# Altium PCB BaseBoard_KB_ATM_.PcbDoc (part 1 of 2) (continued)
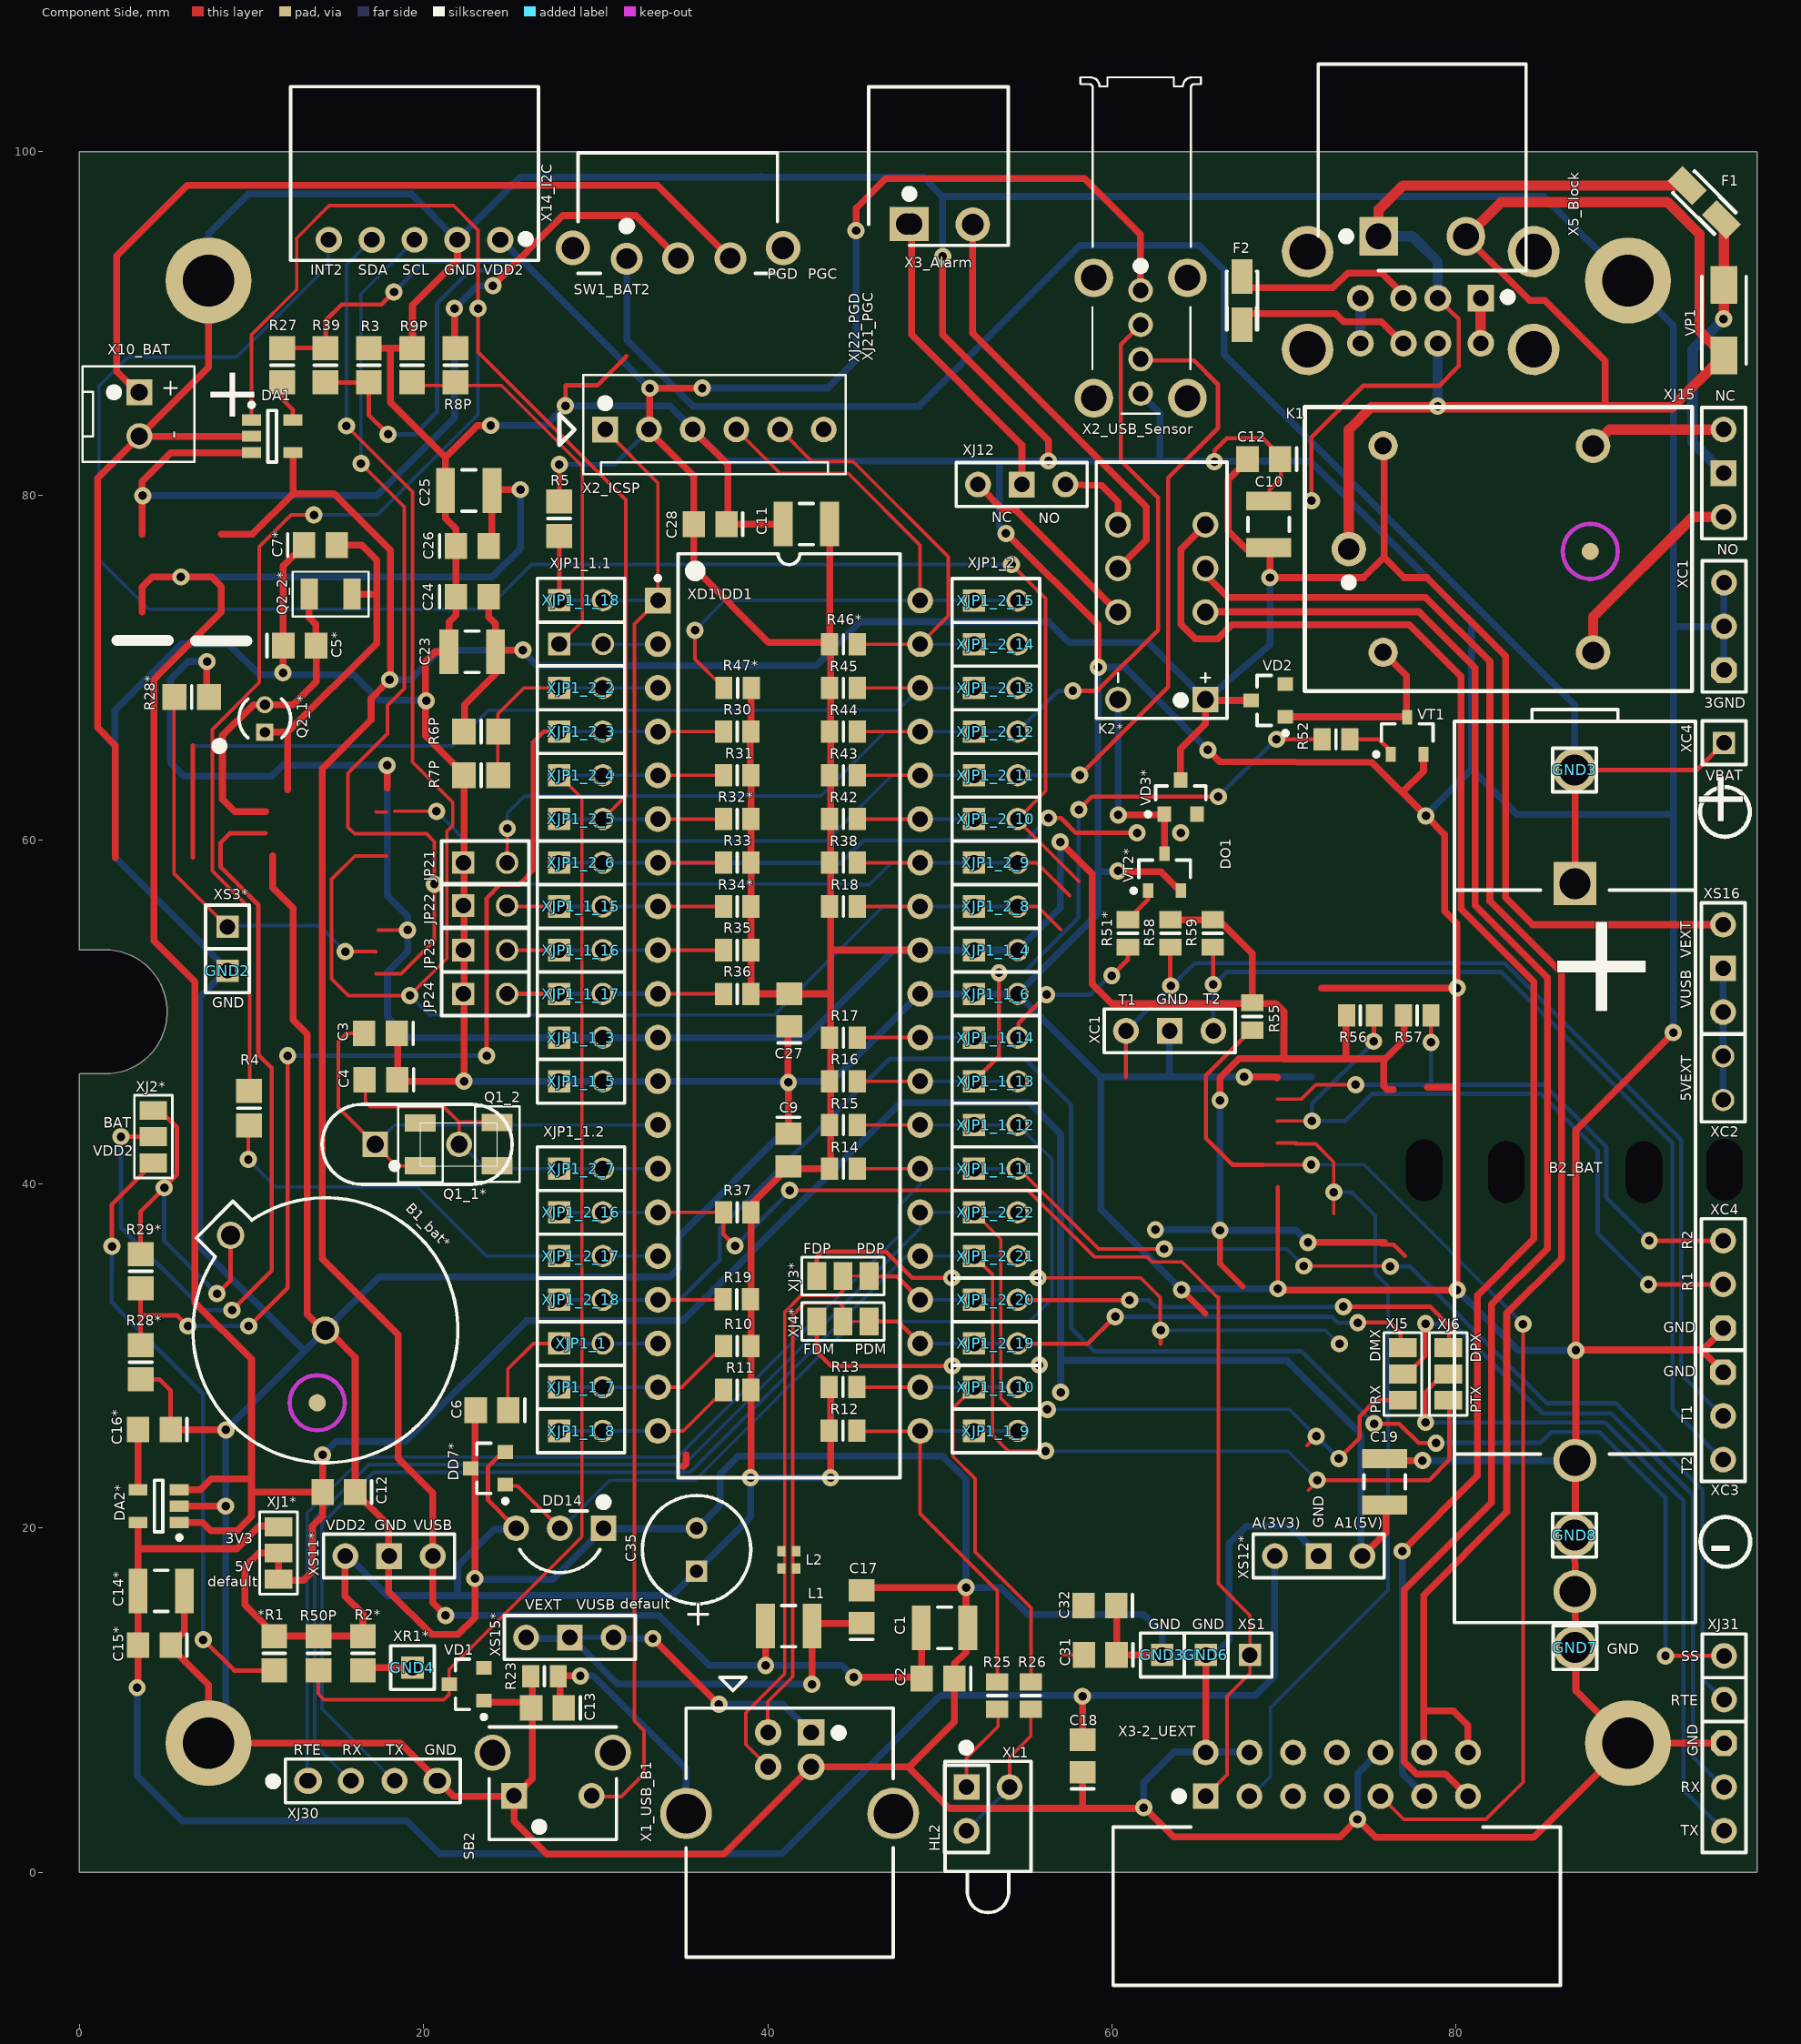
[diagram p0: Component Side view]
## Components (designator, comment, footprint, x,y, rotation, side; value= is the part's Value field where it differs from the comment) (continued)
XJP1_1_13 "PLD-2" PLD-1#1 53.26,45.966 r0 top
XJP1_1_14 "PLD-2" PLD-1#1 53.26,48.506 r0 top
XJP1_1_15 "PLD-2" PLD-1#1 29.146,56.126 r0 top
XJP1_1_16 "PLD-2" PLD-1#1 29.146,53.586 r0 top
XJP1_1_17 "PLD-2" PLD-1#1 29.146,51.046 r0 top
XJP1_1_18 "PLD-2" PLD-1#1 29.15,73.925 r0 top
XJP1_2 "PLD-2" PLD-1#1 29.15,71.375 r0 top
XJP1_2_2 "PLD-2" PLD-1#1 29.146,68.826 r0 top
XJP1_2_3 "PLD-2" PLD-1#1 29.146,66.286 r0 top
XJP1_2_4 "PLD-2" PLD-1#1 29.146,63.746 r0 top
XJP1_2_5 "PLD-2" PLD-1#1 29.146,61.206 r0 top
XJP1_2_6 "PLD-2" PLD-1#1 29.146,58.666 r0 top
XJP1_2_7 "PLD-2" PLD-1#1 29.146,40.886 r0 top
XJP1_2_8 "PLD-2" PLD-1#1 53.26,56.126 r0 top
XJP1_2_9 "PLD-2" PLD-1#1 53.26,58.666 r0 top
XJP1_2_10 "PLD-2" PLD-1#1 53.26,61.206 r0 top
XJP1_2_11 "PLD-2" PLD-1#1 53.26,63.746 r0 top
XJP1_2_12 "PLD-2" PLD-1#1 53.26,66.286 r0 top
XJP1_2_13 "PLD-2" PLD-1#1 53.26,68.826 r0 top
XJP1_2_14 "PLD-2" PLD-1#1 53.26,71.366 r0 top
XJP1_2_15 "PLD-2" PLD-1#1 53.26,73.906 r0 top
XJP1_2_16 "PLD-2" PLD-1#1 29.146,38.346 r0 top
XJP1_2_17 "PLD-2" PLD-1#1 29.146,35.806 r0 top
XJP1_2_18 "PLD-2" PLD-1#1 29.146,33.266 r0 top
XJP1_2_19 "PLD-2" PLD-1#1 53.26,30.726 r0 top
XJP1_2_20 "PLD-2" PLD-1#1 53.26,33.266 r0 top
XJP1_2_21 "PLD-2" PLD-1#1 53.26,35.806 r0 top
XJP1_2_22 "PLD-2" PLD-1#1 53.26,38.346 r0 top
XL1 "PLD-2" PLD-1#2 51.555,3.679 r270 top (schematic designator XJP1_1_16)
XS1 "PLS-1" PLS-1#1 68.025,12.625 r0 top
XS3 "PLS-1" PLS-1#3 95.58,12.573 r90 top
XS3 "PLS-1" PLS-1#3 95.58,10.033 r90 top
XS3* "PLS-1" PLS-1#1 8.602,54.94 r90 top (schematic designator XS3)
XS11* "PLS-3" HDR1X3#1 16.725,18.375 r0 top (schematic designator XJ30)
XS12* "PLS-3" HDR1X3#1 70.75,18.375 r0 top (schematic designator XJ30)
XS15* "PLS-3" HDR1X3#1 27.229,13.64 r0 top (schematic designator XJ30)
XS16 "PLD-2" PLD-1#3 95.529,46.152 r270 top (schematic designator XJP1_1_16)
? "Comment" 0402 41.656,18.161 r90 top

## Footprints (in the part's own frame and the unit in brackets; to place one, negate y for a bottom-side part, rotate by r counter-clockwise, add the part's x,y. Pads: shape width x height; smd on the part's side, far side on the other; paste and mask are expansions set on the pad)
0402 [mm] "Chip Capacitor, Body 1.0x0.5mm, IPC High Density"
  rect 0.6x0.5 smd: 1(-0.5,0) 2(0.5,0)
  body extent -0.55,-0.3 0.55,0.3, height 1.3
3216 [mm] "Capacitor, SM Tantalum; Body 3.2 x 1.6 mm (LxW typ)"
  rect 2x1.2 smd: 1(-1.4,0) 2(1.4,0)
  silkscreen extent -1.7,-0.9 1.7,0.9
B-3031 [mm] "Slide switch, SPDT; B3031"
  round 0 all layers, no hole: 1(3,3.5) 2(0,3.5) 3(-3,3.5) MH(-5.8,2) MH(5.8,2)
  silkscreen extent -5.8,-3.5 5.8,3.5, body extent -6.05,-6.6 6.05,3.9, height 5.8
BH-AA-2915-2MH [mm] "AA battery holder; Keystone 2915"
  round 0 all layers, no hole: 1(0,0)
  rect 2.5x2.5 hole 1.8: 1(7.62,0)
  round 2.5 hole 1.8: 2(41.148,0) 2(48.768,0)
  round 0 hole 2.1 slot 3.6 at 0 deg unplated mask+0.1: MH(24.384,-4) MH(24.384,4)
  silkscreen extent -2.5,-7 50.57,7, body extent -1.65,-6.8 50.41,6.8, height 15.05
BH-CR1220 [mm] "CR1220 battery holder, 2 leads"
  round 1.6 hole 1.1: 1(0,7.8) 2(0,0)
  round 0 all layers, no hole mask+0: MH(-5.6,3.3) MH(1.4,-6.5) MH(5.6,3.3)
  silkscreen extent -7.7,-7.7 7.7,9.1, body extent -7.55,-7.55 7.55,11.55, height 5
C' [mm] "Capacitor, Electrolytic, Radial; Body 6.3 x 5 mm (Dia.xH typ); Pin Spacing 2.5 mm (typ)"
  rect 1.25x1.25 hole 0.75: 1(-1.25,0)
  round 1.25 hole 0.75: 2(1.25,0)
  silkscreen extent -3.15,-3.15 3.15,3.15
C-0805 [mm] "Chip Capacitor; Body 2.0 x 1.2 mm (LxW typ)"
  rect 1.3x1.5 smd: 1(-0.95,0) 2(0.95,0)
  silkscreen extent -1.9,-0.65 -1.9,0.65, body extent -1,-0.62 1,0.62, height 0.78
C-1210_L [mm] "Chip Capacitor, Body 3.2x2.5mm, IPC High Density"
  rect 1.1x2.6 smd: 1(-1.35,0) 2(1.35,0)
  silkscreen extent -0.4,-1.2 0.4,1.2, body extent -1.6,-1.25 1.6,1.25, height 0.92
DG308-2.54-02P-Pol [mm] "DG308-2.54-02P; Wurth Electronics, 691210910002; 2 positions, 2.54mm, modular, green, horizontal wire entry, cage clamp, 0.8mm"
  rect 1.5x1.5 hole 1: 1(-1.27,0)
  round 1.5 hole 1: 2(1.27,0)
  silkscreen extent -2.77,-3.3 2.77,3.2, body extent -2.77,-3.3 2.77,3.2, height 8.75
HC49S [mm] "Crystal, Thru-Hole; 2 Leads; Body 3.1 x 8.2 mm (Dia.xH)"
  rect 1.5x1.5 hole 1: 1(-2.44,0)
  round 1.5 hole 1: 2(2.44,0)
  silkscreen extent -5.53,-2.33 5.53,2.32, body extent -5.49,-2.25 5.49,2.25, height 3.6
HDR1X3#1 [mm] "Connector; Header; 3 Position"
  round 1.5 hole 0.9: 1(-1.27,0) 3(3.81,0)
  rect 1.5x1.5 hole 0.9: 2(1.27,0)
  silkscreen extent -2.54,-1.27 5.08,1.27, body extent -2.54,-1.27 5.08,1.27, height 9.5
HDR1X3#2 [mm] "Connector; Header; 3 Position"
  oct 1.5x1.5 hole 0.9: 1(-1.27,0)
  round 1.5 hole 0.9: 2(1.27,0) 3(3.81,0)
  silkscreen extent -2.54,-1.27 5.08,1.27, body extent -2.54,-1.27 5.08,1.27, height 9.5
HDR1X3#3 [mm] "Connector; Header; 3 Position"
  round 1.5 hole 0.9: 1(-1.27,0) 2(1.27,0)
  oct 1.5x1.5 hole 0.9: 3(3.81,0)
  silkscreen extent -2.54,-1.27 5.08,1.27, body extent -2.54,-1.27 5.08,1.27, height 9.5
HDR1X4 [mm] "Connector; Header; 4 Position"
  round 1.5 hole 0.9: 1(0,0) 2(2.54,0) 3(5.08,0) 4(7.62,0)
  silkscreen extent -1.27,-1.27 8.89,1.27
HLED-RED [mm] "Housing LED, 3mm, red"
  rect 1.5x1.5 hole 0.9: 1(-1.25,0)
  round 1.5 hole 0.9: 2(1.25,0)
  silkscreen extent -2.5,-7.3 2.5,1.5, body extent -2.25,-7.55 2.25,1.35, height 7.3
IDC-14MR [mm] "Connector; Header; 2x7 Position; V-type"
  rect 1.5x1.5 hole 0.9: 1(-7.62,0)
  round 1.5 hole 0.9: 2(-7.62,2.54) 3(-5.08,0) 4(-5.08,2.54) 5(-2.54,0) 6(-2.54,2.54) 7(0,0) 8(0,2.54) 9(2.54,0) 10(2.54,2.54) 11(5.08,0) 12(5.08,2.54) 13(7.62,0) 14(7.62,2.54)
  silkscreen extent -13,-11 13,-1.8, body extent -12.84,-10.9 12.84,2.9, height 9.1
J-3-SMD [mil] "Jumper, 3 pins, reassigned"
  rect 43.31x63 smd: 1(-60,0) 2(0,0) 3(60,0)
  silkscreen extent -94,-43 94,43
KF2EDGR-5 [mm] "Plug-in Teminal Block, 5 Positions; KF2EDGR-2.5-05P-14; MC 0.5/ 5-G-2.5 THT, 1963450"
  round 1.5 hole 0.9: 1(0,0) 2(2.5,0) 3(5,0) 4(7.5,0) 5(10,0)
  silkscreen extent -2.2,-8.9 12.2,1.2, body extent -2.25,-8.9 12.15,1.2, height 8.2
P2-V23079 [mm] "Relay, P2 V23079"
  rect 1.5x1.5 hole 1: 1(0,-2.54)
  round 1.5 hole 1: 3(5.08,-2.54) 4(7.62,-2.54) 5(10.16,-2.54) 8(10.16,2.54) 9(7.62,2.54) 10(5.08,2.54) 12(0,2.54)
  silkscreen extent -1.1,-3.8 13.8,3.8, body extent -0.9,-3.57 13.6,3.58, height 9.5
PDIP600-P40 [mm] "DIP, 40-Leads, Row Spacing 15.24mm, Pitch 2.54mm, Body 51.8x13.5mm"
  rect 1.5x1.5 hole 0.9: 1(-7.62,24.13)
  round 1.5 hole 0.9: 2(-7.62,21.59) 3(-7.62,19.05) 4(-7.62,16.51) 5(-7.62,13.97) 6(-7.62,11.43) 7(-7.62,8.89) 8(-7.62,6.35) 9(-7.62,3.81) 10(-7.62,1.27) 11(-7.62,-1.27) 12(-7.62,-3.81) 13(-7.62,-6.35) 14(-7.62,-8.89) 15(-7.62,-11.43) 16(-7.62,-13.97) 17(-7.62,-16.51) 18(-7.62,-19.05) 19(-7.62,-21.59) 20(-7.62,-24.13) 21(7.62,-24.13) 22(7.62,-21.59) 23(7.62,-19.05) 24(7.62,-16.51) 25(7.62,-13.97) 26(7.62,-11.43) 27(7.62,-8.89) 28(7.62,-6.35) 29(7.62,-3.81) 30(7.62,-1.27) 31(7.62,1.27) 32(7.62,3.81) 33(7.62,6.35) 34(7.62,8.89) 35(7.62,11.43) 36(7.62,13.97) 37(7.62,16.51) 38(7.62,19.05) 39(7.62,21.59) 40(7.62,24.13)
  silkscreen extent -7.74,-26.85 6.45,26.85, body extent -7.77,-26.13 7.76,26.13, height 4.95
PLD-1#1 [mm] "Header connector, 2 pins"
  rect 1.3x1.3 hole 0.9: 1(-1.27,0)
  round 1.3 hole 0.9: 2(1.27,0)
  silkscreen extent -2.54,-1.27 2.54,1.27, body extent -2.54,-1.27 2.54,1.27, height 9.5
PLD-1#2 [mm] "Header connector, 2 pins"
  rect 1.5x1.5 hole 0.9: 1(-1.27,0)
  round 1.5 hole 0.9: 2(1.27,0)
  silkscreen extent -2.54,-1.27 2.54,1.27, body extent -2.54,-1.27 2.54,1.27, height 9.5
PLD-1#3 [mm] "Header connector, 2 pins"
  round 1.3 hole 0.9: 1(-1.27,0) 2(1.27,0)
  silkscreen extent -2.54,-1.27 2.54,1.27, body extent -2.54,-1.27 2.54,1.27, height 9.5
PLS-1#1 [mm] "Header connector, 1 pin"
  rect 1.3x1.3 hole 0.9: 1(0,0)
  silkscreen extent -1.27,-1.27 1.27,1.27, body extent -1.27,-1.27 1.27,1.27, height 9.5
PLS-1#2 [mm] "Header connector, 1 pin"
  round 2.5 hole 1.8: 1(0,0)
  silkscreen extent -1.27,-1.27 1.27,1.27, body extent -1.27,-1.27 1.27,1.27, height 9.5
PLS-1#3 [mm] "Header connector, 1 pin"
  round 1.5 hole 0.9: 1(0,0)
  silkscreen extent -1.27,-1.27 1.27,1.27, body extent -1.27,-1.27 1.27,1.27, height 9.5
PR35-2.54 [mm] "TO, Flat Index; 3 In-Line, Axial Leads; Body Dia. 4.6mm; Leads 0.56 x 0.51 mm (max)"
  rect 1.5x1.5 hole 0.9: 1(0,-2.54)
  round 1.5 hole 0.9: 2(0,0) 3(0,2.54)
  silkscreen extent -2.58,-2.34 1,2.34, body extent -2.48,-2.79 0.95,2.79, height 7.37
R38 [mm] "Crystal, Thru-Hole; 2 Leads; Body 3.1 x 8.2 mm (Dia.xH)"
  rect 1x1 hole 0.6: 1(0,0.8)
  round 1 hole 0.6: 2(0,-0.8)
  silkscreen extent -1.5,-1.14 1.5,1.13, body extent -1.1,-1.41 1,1.39, height 6.7
R-0805_L [mm] "Chip Resistor, Body 2.0x1.2mm, IPC High Density"
  rect 1x1.3 smd: 1(-0.8,0) 2(0.8,0)
  silkscreen extent 0,-0.55 0,0.55, body extent -1,-0.63 1,0.62, height 0.5
R-0805_M [mm] "Chip Resistor, Body 2.0x1.2mm, IPC Low Density"
  rect 1.4x1.5 smd: 1(-1,0) 2(1,0)
  silkscreen extent 0,-0.65 0,0.65, body extent -1,-0.63 1,0.62, height 0.5
SOT23-5L_N [mm] "SOT23, 5-Leads, Body 2.9x1.6mm, Pitch 0.95mm, Lead Span 2.8mm, IPC Medium Density"
  rect 1.1x0.65 smd: 1(-1.2,0.95) 2(-1.2,0) 3(-1.2,-0.95) 4(1.2,-0.95) 5(1.2,0.95)
  silkscreen extent -1.32,-1.5 0.25,1.95, body extent -1.42,-1.5 1.42,1.5, height 1.2
SOT23-ONSC-3-318-08_V [mm] "SOT23, 3-Leads, Body 2.92x1.3mm, Pitch 0.95mm"
  rect 0.9x0.8 smd: 1(-1,0.95) 2(-1,-0.95) 3(1,0)
  silkscreen extent -1.13,-1.46 0.65,2.02, body extent -1.42,-1.5 1.42,1.5, height 1.2
SOT-23B_L [mm] "SOT23, 3-Leads, Body 2.9x1.3mm, Pitch 0.95mm, Lead Span 2.4mm, IPC High Density"
  rect 0.85x0.6 smd: 1(-1.075,0.95) 2(-1.075,-0.95) 3(1.075,0)
  silkscreen extent -1.2,-1.5 0.7,1.92, body extent -0.7,-1.5 0.7,1.5, height 1.14
TC-0203 [mm] "Tact Switch, 3.85mm"
  rect 1.5x1.5 hole 0.9: 1(-2.25,0)
  round 1.5 hole 0.9: 2(2.25,0)
  round 2.1 hole 1.5 unplated mask+0.1: MH(-3.5,2.5) MH(3.5,2.5)
  silkscreen extent -3.7,-2.55 3.7,4, body extent -4.35,-3.85 4.35,4, height 7.4
USB-2-A-D [mm] "USB 2.0 connector, type A, dual"
  rect 1.55x1.55 hole 0.92: 1(3.5,-1.27)
  round 1.55 hole 0.92: 2(1,-1.27) 3(-1,-1.27) 4(-3.5,-1.27) 5(3.5,1.35) 6(1,1.35) 7(-1,1.35) 8(-3.5,1.35)
  round 3 hole 2.1 unplated mask+0.05: MH(-6.57,-3.98) MH(-6.57,1.7) MH(6.57,-3.98) MH(6.57,1.7)
  silkscreen extent -8.13,-15.15 8.13,5.71, body extent -7.9,-14.25 7.89,2.9, height 16.25
USB-2-A-UR [mm] "USB 2.0 connector, type A, up right"
  round 1.42 hole 0.92: 1(-2.77,0) 2(-0.77,0) 3(1.23,0) 4(3.23,0)
  round 2.25 hole 1.5: MH(-3.5,2.72) MH(-3.5,-2.72) MH(3.5,2.72) MH(3.5,-2.72)
  silkscreen extent -15.15,-3.51 4.4,3.51, body extent -15.18,-3.55 4.12,3.55, height 3.4
USB-2-B [mm] "USB 2.0 connector, type B, 4 pins"
  rect 1.55x1.55 hole 0.92: 1(1.25,1)
  round 1.55 hole 0.92: 2(-1.25,1) 3(-1.25,-1) 4(1.25,-1)
  round 3 hole 2.3 mask+0.1: MH(-6.02,-3.71) MH(6.02,-3.71)
  silkscreen extent -6.02,-12.06 6.02,4.19, body extent -7.45,-13.99 7.45,2.31, height 11
WF6S [mm] "Connector; Header; 2 Position"
  rect 1.5x1.5 hole 0.9: 1(-6.35,0)
  round 1.5 hole 0.9: 2(-3.81,0) 3(-1.27,0) 4(1.27,0) 5(3.81,0) 6(6.35,0)
  silkscreen extent -7.62,-2.6 7.62,3.18, body extent -7.62,-2.6 7.62,3.2, height 11.5
X3215 [mm] "Crystal, SMD"
  rect 1x1.8 smd: 1(-1.25,-0.1) 2(1.25,-0.1)
  silkscreen extent -2.2,-1.4 2.2,1.2

## Part data
*R1 R2* R3 R4 R5 R6P R7P R8P R9P R10 R11 R12 R13 R14 R15 R16 R17 R18 R19 R23 R25 R26 R27 R28* R28* R29* R30 R31 R32* R33 R34* R35 R36 R37 R38 R39 R42 R43 R44 R45 R46* R47* R50P R51* R52 R55 R56 R57 R58 R59: library part Res-0805, "Resistor, 0805, SMD"
B1_bat*: library part BH-CR1220, "CR1220 battery holder; CH23-CR1220"
B2_BAT: library part BH-AA, "AA battery holder; Keystone 2915"
C1 C10 C11 C14* C19 C23 C25 L1: library part Cap-1210-Pol, "Polarized Capacitor (Radial), SMD, 1210"
C2 C3 C4 C5* C6 C7* C9 C12 C12 C13 C15* C16* C17 C18 C24 C26 C27 C28 C31 C32: library part Cap-0805, "Capacitor, SMD, 0805"
DA1: "Miniature Single-Cell, Fully Integrated Li-Ion, Li-Polymer Charge Management Controller, 4.2V, 5-Pin SOT-23, Industrial Temperature, Tape and Reel"
DA2*: "150mA, Very-Low Drop and Low Noise Voltage Regulator Low ESR Capacitors Compatible, with Inhibit Function, 1.8V, 5-Pin SOT23-5L"
DD7* VD1 VD2 VD3*: library part Diode-Zener, "Zener diode"
DD14: library part DS1820-2.54, "1-Wire Digital Thermometer"
GND2 GND3 GND3 GND4 GND6 GND7 GND8: library part PLS-1, "Header connector, 1 pin; DS1021"
HL2: library part HLED-RED, "Housing LED, 3mm, red"
JP21 JP22 JP23 JP24 XJP1_1 XJP1_1_3 XJP1_1_4 XJP1_1_5 XJP1_1_6 XJP1_1_7 XJP1_1_8 XJP1_1_9 XJP1_1_10 XJP1_1_11 XJP1_1_12 XJP1_1_13 XJP1_1_14 XJP1_1_15 XJP1_1_16 XJP1_1_17 XJP1_1_18 XJP1_2 XJP1_2_2 XJP1_2_3 XJP1_2_4 XJP1_2_5 XJP1_2_6 XJP1_2_7 XJP1_2_8 XJP1_2_9 XJP1_2_10 XJP1_2_11 XJP1_2_12 XJP1_2_13 XJP1_2_14 XJP1_2_15 XJP1_2_16 XJP1_2_17 XJP1_2_18 XJP1_2_19 XJP1_2_20 XJP1_2_21 XJP1_2_22 XL1 XS16: library part PLD-2-2S-S, "Header, 2-Pin, DS1021-2x1, Slim"
K2*: library part P2-V23079, "Relay, P2 V23079"
Q1_1* Q1_2 Q2 Q2_1* Q2_2*: "Crystal Oscillator"
SB2: "Tact Switch, 3.85mm"
SW1_BAT2: "Slide switch, SPDT, horizontal actuation; B 3031, 125V, 0.3A; C&K 1101M2S3ABE2"
X1_USB_B1: library part USB-2-B, "USB 2.0 connector, type B, 4 pins"
X2_ICSP: "2.54mm 3A/250V"
X2_USB_Sensor: library part USB-2-A-UR, "USB 2.0 connector, type A, up right; WE 614004134726"
X3-2_UEXT: "Header, 14-Pin, IDC-14MR, BH-14R, DS1013-14R; V-type"
X5_USBA: library part USB-2-A-D, "USB 2.0 connector, type A, dual"
X10_BAT: "DG308-2.54-02P; WR-TBL Terminal Blocks Serie 2109, 2.54 mm with Rising Cage Clamp, 691210910002"
X14_I2C: "Connector, 5-Pin, KF2EDGR-2.5-05P-14"
XC1 XC1 XC2 XC3 XC4 XJ12 XJ15 XJ31 XS11* XS12* XS15*: "Header connector, 3 pins; DS1021"
XC4 XS1 XS3 XS3 XS3*: "Header connector, 1 pin; DS1021"
XD1\DD1: "High Performance, Enhanced Flash, USB Microcontroller with nanoWatt Technology, 32K Flash, 40-Pin PDIP, Industrial Temperature Range"
XJ1* XJ2* XJ3* XJ4* XJ5 XJ6: library part J-3-SMD, "Jumper, 3 pins, SMD"

## Free pads (board coordinates)
  round 1 all layers, no hole paste+0 mask+1: 0(13.818,27.28) 0(87.808,76.759)
  rect 2x2 hole 1.25: 1(48.082,95.783) 1(48.362,95.783)
  round 2 hole 1.25: 1(73.772,76.891) 2(51.918,95.758) 3(87.972,70.891) 4(87.972,82.891)
  rect 2.25x2.25 hole 1.5: 1(75.5,95.072)
  rect 1.55x2.2 smd: 1(95.58,88.145) 2(95.58,92.245)
  round 1.7 hole 1: 2(75.772,70.891) 5(75.772,82.891)
  round 2.25 hole 1.5: 2(80.58,95.072)
  round 5 hole 3: BMH(7.5,7.5) BMH(7.5,92.5) BMH(90,7.5) BMH(90,92.5)
  round 0 hole 2.1 slot 3.6 at 90 deg unplated mask+0.1: MH(78.156,40.792) MH(95.606,40.818)

## Via types
v1: diameter 1, hole 0.5, Component Side to Bottom Layer, tented both sides, 92 vias
v2: diameter 1, hole 0.5, Component Side to Bottom Layer, 45 vias
v3: diameter 1.5, hole 0.9, Component Side to Bottom Layer, tented both sides, 6 vias
v4: diameter 1.85, hole 1.2, Component Side to Bottom Layer, 5 vias
v5: diameter 2, hole 1.3, Component Side to Bottom Layer, 4 vias

## Nets (pads, with @x,y where several pads share a name; then routed paths per layer and width w, separated by ;. In a path a pad name is that pad's centre, name@x,y a point inside that pad or via, vN(x,y) a via of type N, cw(c..) or ccw(c..) an arc to the next point about the centre after c; other vN are vias at no path point)
3V3out: 
4D+: 
4D-: 
5D+: pad.1@73.772,76.891 pad.1@95.58,88.145 pad.2@80.58,95.072 X5_USBA.6 | length 70.9
  Component Side w0.4: pad.2@80.594,95.021 84.277,91.338 85.166,91.338 88.682,87.822 88.682,85.141
  Component Side w0.6: pad.1@73.772,76.891 73.772,83.83 75.083,85.141 78.943,85.141 88.682,85.141 92.576,85.141 pad.1@95.58,88.145 94.158,89.568 94.158,95.199 92.304,97.053 82.626,97.053 pad.2@80.594,95.021
  Bottom Layer w0.6: v2@78.937,85.141 X5_USBA.6@78.937,88.925
  other v2: 78.943,85.192
5D-: F1.2 pad.1@75.5,95.072 X5_USBA.2 | length 44.6
  Component Side w0.254: v2(71.603,79.705) 71.603,83.388 74.6,86.385 79.019,86.385 80.162,87.528 80.162,90.257 78.919,91.439 X5_USBA.2@78.918,91.44
  Component Side w0.6: pad.1@75.5,95.072 75.5,96.636 ; 75.514,96.622 76.911,98.018 F1.2@93.447,98.018
  Bottom Layer w0.254: v2(71.603,79.705) v2@71.603,79.756
  Bottom Layer w0.6: pad.1@75.5,95.072 77.47,95.072 78.937,93.606 X5_USBA.2@78.937,91.567
6D+: 
6D-: 
!MCLR: R5.1 SB2.2 X2_ICSP.1 XD1\DD1.1 XJP1_1_18.1 XJP1_1_18.2 | length 93.1
  Component Side w0.2: SB2.2@29.794,4.394 31.496,4.394 32.817,5.715 32.817,8.23 32.25,8.796 32.25,72.538 XD1\DD1.1@33.618,73.906 33.618,80.733 X2_ICSP.1@30.556,83.795
  Component Side w0.254: XJP1_1_18.1@27.889,73.889 R5.1@27.889,77.521
  Bottom Layer w0.2: XJP1_1_18.1@27.876,73.906 XD1\DD1.1@33.618,73.906
A: C14*.1 C15*.2 C18.2 DA2*.5 XJ1*.1 XS12*.1 | length 105.2
  Component Side w0.4: v1(3.35,10.725) 3.4,10.775 C15*.2@3.4,13.2 C14*.1@3.4,16.35 3.4,18.8 ; DA2*.5@3.4,20.325 3.4,18.8 ; XJ1*.1@11.575,20.124 10.472,20.124 9.148,18.8 3.4,18.8 ; C18.2@58.3,7.7 v1(58.3,10.225)
  Bottom Layer w0.4: v1(3.35,10.725) 3.35,5.6 5.975,2.975 19.025,2.975 20.925,1.075 40.825,1.075 50.025,10.275 68.339,10.275 69.45,11.386 XS12*.1@69.45,18.375
A1: C12.2@14.125,22.1 C19.2 C25.1 C26.2 DA2*.1 DA2*.3 XJ1*.3 XS12*.3 | length 212.3
  Component Side w0.2: C26.2@23.775,77.075 C26.2@23.975,77.275 ; C25.1@23.975,80.3 23.975,80.315 24.065,80.225 24.165,80.325 24.19,80.3 C25.1@24.24,80.35
  Component Side w0.4: 3.65,73.25 3.65,74.694 4.231,75.275 v1(5.9,75.275) 7.681,75.275 8.25,74.706 8.25,73.25 4.521,69.521 4.521,69.494 4.318,69.291 4.318,54.135 6.706,51.748 6.706,33.096 10,29.802 10,22.85 ; DA2*.1@5.8,20.325 7.15,20.325 7.625,19.85 9.157,19.85 10,20.693 10,22.85 ; DA2*.3@5.8,22.225 7.025,22.225 7.65,22.85 10,22.85 ; 10.075,22.1 C12.2@14.125,22.1 ; XJ1*.3@11.626,16.975 13.025,16.975 13.525,17.475 13.525,20.1 14.125,20.7 C12.2@14.125,22.1 ; v1(14.125,24.25) C12.2@14.125,22.1 ; C26.2@23.975,77.275 C25.1@23.975,80.3 ; C25.1@24.24,80.35 v1(25.625,80.35) ; XS12*.3@74.56,18.375 75.925,19.74 C19.2@75.925,21.332
  Bottom Layer w0.4: v1(5.9,75.275) 15.092,75.275 15.092,75.245 15.122,75.275 23.975,75.275 25.625,76.925 v1(25.625,80.35) ; v1(14.125,24.25) 14.9,25.025 18.954,25.025 25.991,32.062 35.062,32.062 47.725,44.725 55.2,44.725 57.023,42.902 v1(57.023,27.889) ; 57.048,29.743 70.182,29.743 74.487,25.438 74.487,18.972 XS12*.3@74.535,18.925
AN0: R8P.1 R9P.2 XD1\DD1.2 XJP1_2.1 XJP1_2.2 | length 28.6
  Component Side w0.2: R9P.2@19.225,86.4 21.844,86.4 24.522,86.4 29.224,81.698 29.224,72.714 XJP1_2.1@27.876,71.366
  Bottom Layer w0.2: XJP1_2.1@27.876,71.366 30.42,71.366 XD1\DD1.2@33.618,71.366
AN1: R6P.1 R7P.2 XD1\DD1.3 XJP1_2_2.1 XJP1_2_2.2 | length 13.5
  Component Side w0.2: R7P.2@24.308,63.754 24.308,67.31 25.824,68.826 XJP1_2_2.1@27.876,68.826
  Bottom Layer w0.2: XJP1_2_2.1@27.876,68.826 XJP1_2_2.2@30.416,68.826 XD1\DD1.3@33.618,68.826
D6-1: 
D6-2: 
D6-3: 
D6-4: 
D6-5: 
D6-6: 
D6-7: 
D6-8: 
D6-9: 
D6-10: 
D6-11: 
D6-12: 
D6-13: 
D6-14: 
D6-15: XJ3*.1 | length 35.7
  Component Side w0.2: v1(55.702,34.544) 61.671,34.544 62.814,33.401 62.814,31.521 v1(62.84,31.496)
  Component Side w0.254: XJ3*.1@42.85,34.62 XJ3*.1@42.85,34.646 42.85,35.763 43.155,36.068 46.863,36.068 48.387,34.544 v1@50.673,34.544 ; 62.84,30.709 v1(62.84,31.496)
  Bottom Layer w0.2: v1(62.84,31.496) 72.415,31.496 v1@73.203,30.709
  Bottom Layer w0.254: v1(50.698,34.544) v1@55.677,34.544
  other v1: 73.228,30.709
D6-16: XJ4*.1 | length 15
  Component Side w0.254: XJ4*.1@42.85,32.004 42.85,30.251 43.688,29.413 v1@50.749,29.413
  Bottom Layer w0.254: v1@50.724,29.464 v1@55.753,29.464
  other v1: 50.74,29.428 55.769,29.479
D6-17: 
D6-18: 
D6-19: 
D6-20: 
D6-21: 
D6-22: 
D6-23: 
D6-24: 
D6-25: 
D6-26: 
D6-27: C31.2 | length 1.2
  Component Side w0.2: 57.125,12.625 C31.2@58.375,12.625
D6-28: C32.2 | length 0.3
  Component Side w0.2: C32.2@58.375,15.83 C32.2@58.565,15.64
GND: B1_bat*.2 B2_BAT.2 C1.2 C2.1 C3.1 C4.1 C5*.1 C6.2 C7*.1 C9.1 C10.1 C11.1 C12.1 C13.2 C14*.2 C15*.1 C16*.1 C17.2 C18.1 C19.1 C23.2 C24.1 C25.2 C26.1 C27.1 C28.1 C31.1 C32.1 C35.2 DA1.2 DA2*.2 DD7*.3 DD14.1 GND2.1 GND3.1@62.925,12.625 GND6.1 GND7.1 GND8.1 JP21.1 JP22.1 JP23.1 JP24.1 pad.BMH R3.1 R7P.1 R9P.1 R23.2 R28*.2@3.556,28.642 SB2.1 VD1.1 VT1.2 VT2*.2 X1_USB_B1.4 X2_ICSP.3 X2_USB_Sensor.4 X3-2_UEXT.2 X3-2_UEXT.4 X3-2_UEXT.10 X10_BAT.2 X14_I2C.2 XC1.1@95.58,69.86 XC1.2 XC1.3@95.58,74.94 XC3.3 XC4.1@95.529,31.623 XD1\DD1.12 XD1\DD1.31 XJ30.4 XJ31.1 XJP1_1_5.1 XJP1_1_5.2 XJP1_1_6.1 XJP1_1_6.2 XS11*.2 XS12*.2 | length 1108.4
  Component Side w0.254: R28*.2@3.556,28.642 4.649,28.642 5.3,27.991 5.3,25.833 C16*.1@5.408,25.725 ; 28.245,86.411 30.092,86.411 31.786,88.105 ; v1(28.245,85.217) 28.245,86.411 ; v1@65.964,81.94 v1(65.964,81.966) 65.964,82.626 66.675,83.337 68.783,83.337 ; 68.809,83.312 C12.1@69.875,82.245 ; C10.1@69.164,79.68 69.164,80.34 69.825,81.001 C12.1@69.825,81.915 ; v1@69.647,33.858 69.647,33.892 v1(69.647,33.909) 69.647,39.823
  Component Side w0.35: v1(64.05,33.85) 65.45,32.45
  Component Side w0.4: 2.085,58.975 2.085,65.475 1.046,66.514 1.046,81.005 7.5,87.459 pad.BMH@7.5,92.5 ; X10_BAT.2@3.505,83.45 DA1.2@10,83.45 ; C16*.1@5.408,25.725 5.408,25.709 v1(8.508,25.709) 8.584,25.709 v1@8.6,25.725 ; DA2*.2@5.8,21.275 v1(8.5,21.275) ; C14*.2@6.1,16.35 6.1,14 C15*.1@5.3,13.2 5.3,13.09 7.5,10.89 pad.BMH@7.5,7.5 18.662,7.5 XJ30.4@20.853,5.309 21.742,4.42 SB2.1@25.273,4.42 ; 11.221,59.076 11.221,57.232 12.425,56.028 12.425,49.526 13.233,48.717 13.233,32.436 14.326,31.344 14.598,31.344 16.025,29.917 C12.1@16.025,22.1 17.975,20.15 17.975,16.315 20.472,13.818 21.996,13.818 22.987,14.808 v1(22.987,17.069) C6.2@22.987,26.848 ; v1(11.825,69.7) 11.825,71.25 C5*.1@11.85,71.275 ; C5*.1@12.012,71.437 11.825,71.625 11.825,75.9 C7*.1@13.05,77.125 ; R3.1@16.81,88.579 18.085,88.579 ; C4.1@18.5,46.5 C3.1@18.5,48.75 ; C4.1@18.61,45.966 v1(22.352,45.966) 22.352,56.177 22.352,63.805 20.1,66.057 20.1,70.35 20.675,70.925 C23.2@21.475,70.925 21.475,72.65 21.875,73.05 C24.1@21.875,74.125 ; R9P.1@19.329,88.579 R9P.1@19.05,88.579 ; C24.1@21.675,74.15 21.875,74.35 21.875,78.075 21.275,78.675 C25.2@21.275,80.3 21.275,82.235 ; X14_I2C.2@21.971,94.869 21.971,93.678 19.355,91.062 19.355,89.104 19.12,88.7 R9P.1@19.05,88.579 ; VD1.1@23.495,9.881 C13.2@26.289,9.881 ; v1(23.901,84.075) 23.115,84.075 21.275,82.235 ; R23.2@26.314,11.379 26.314,5.436 25.298,4.42 SB2.1@25.273,4.42 ; X2_ICSP.3@35.636,83.845 37.675,81.807 37.675,78.35 C11.1@40.89,78.35 ; v1@41.175,45.925 C27.1@41.175,49.175 ; C9.1@41.2,43.025 v1(41.2,45.9) ; C17.2@45.45,16.2 45.8,16.55 v1(51.525,16.55) 51.525,12.8 50.85,12.125 C2.1@50.85,11.25 50.85,8.737 48.238,6.125 X1_USB_B1.4@42.525,6.125 37.45,1.05 27.169,1.05 25.273,2.946 SB2.1@25.273,4.42 ; 48.184,6.096 50.571,3.708 58.3,3.708 ; v2(50.165,93.904) 50.165,89.357 56.312,83.21 v1(56.312,82.017) ; v1@53.872,77.825 59.207,72.49 v1(59.207,70.028) ; C18.1@58.3,5.8 58.3,3.708 ; C32.1@60.35,15.525 60.275,15.45 C31.1@60.275,12.625 GND3.1@62.925,12.625 ; v2@60.452,57.963 60.63,58.141 62.84,58.141 VT2*.2@64.008,56.972 ; X3-2_UEXT.2@65.475,6.96 GND6.1@65.475,12.625 ; v2(65.577,65.218) 66.248,64.54 75.125,64.495 v1@78.228,61.392 ; v1(67.691,46.215) 69.515,46.215 69.58,46.15 69.625,46.195 ; v1@69.621,33.909 v1(69.647,33.909) ; v1@69.647,33.858 69.664,33.858 v1@69.689,33.833 ; v1@69.647,33.892 69.664,33.909 69.74,33.833 v1(80.061,33.833) v1(80.061,51.384) ; C10.1@69.698,79.527 C10.1@69.698,79.633 ; 72.187,51.384 v1(80.061,51.384) ; C19.1@75.895,23.952 75.921,23.927 v1(78.054,23.927) ; VT1.2@78.115,64.965 78.115,63.993 76.886,62.763 v1(78.257,61.392) 79.35,60.299 79.35,55.854 80.061,55.143 v1(80.061,51.384) ; 78.344,45.618 79.937,45.618 ; GND8.1@86.893,19.583 86.929,16.409 86.93,16.307 86.966,13.209 86.966,13.183 86.967,13.056 86.968,13.031 86.968,12.98 86.97,12.852 86.97,10.53 pad.BMH@89.88,7.62 ; GND8.1@86.893,19.583 86.944,19.609 B2_BAT.2@86.944,23.901 ; B2_BAT.2@86.919,23.927 B2_BAT.2@86.97,23.927 ; B2_BAT.2@86.97,23.876 B2_BAT.2@86.97,23.927 ; v2@86.995,30.353 v2@87.02,30.353 ; pad.BMH@90,7.5 84.532,2.032 75.318,2.032 v1(74.275,3.075) 73.257,2.057 63.602,2.057 61.951,3.708 58.3,3.708 ; pad.BMH@90.007,7.493 XJ31.1@95.606,7.493 ; v2(92.634,48.793) 86.97,43.129 86.97,30.404 v2@87.02,30.353 ; 94.285,30.328 XC3.3@95.555,29.058 ; XC4.1@95.606,31.598 94.361,30.353 v2@87.02,30.353 ; 18.085,88.579 18.085,85.425 21.275,82.235 ; 18.085,88.579 R9P.1@19.05,88.579 ; B2_BAT.2@86.97,23.927 v2(86.97,30.328) 87.046,30.328 v2@87.02,30.353
  Bottom Layer w0.4: 2.057,65.45 2.057,67.532 5.9,71.375 8.675,71.375 10.45,69.6 15.925,69.6 17.425,68.1 20.125,68.1 v1(20.15,68.075) ; 2.077,58.968 3.05,57.994 GND2.1@8.672,52.372 ; pad.BMH@7.5,7.5 8.575,8.575 8.5,8.65 v1(8.5,21.275) 8.508,21.283 v1(8.508,25.709) 13.075,30.275 ; pad.BMH@7.5,92.5 7.5,95.2 9.824,97.524 19.29,97.524 v3(21.946,94.869) 21.964,94.851 25.613,98.5 49.049,98.5 50.165,97.384 ; GND2.1@8.475,52.346 6.985,50.856 6.985,36.365 13.075,30.275 ; GND2.1@8.565,52.353 GND2.1@8.602,52.39 ; GND2.1@8.602,52.219 8.773,52.219 GND2.1@8.799,52.245 ; B1_bat*.2@14.3,31.525 B1_bat*.2@14.325,31.525 ; B1_bat*.2@14.402,31.602 B1_bat*.2@14.325,31.525 ; v1(22.352,45.966) XJP1_1_5.1@27.876,45.966 XJP1_1_5.2@30.416,45.966 43.739,45.966 48.819,51.046 XJP1_1_6.1@51.99,51.046 ; v1@22.987,17.018 27.508,17.018 30.455,19.964 35.865,19.964 37.232,21.332 37.232,23.122 38.285,24.175 50.175,24.175 51.525,22.825 v1(51.525,16.55) 53.554,16.55 55.129,14.975 61.85,14.975 62.925,13.9 GND3.1@62.925,12.625 GND6.1@65.475,12.625 65.975,12.625 66.825,13.475 66.825,19.1 67.825,20.1 70.35,20.1 XS12*.2@72.047,18.403 ; v1(23.901,84.075) 27.103,84.075 v1(28.245,85.217) 34.29,85.217 37.49,82.017 53.594,82.017 ; v1(41.2,45.9) 41.2,43.308 34.823,36.932 34.823,35.128 34.297,34.602 17.402,34.602 B1_bat*.2@14.325,31.525 ; v2(50.165,93.904) 50.165,97.384 ; XJP1_1_6.1@51.99,51.046 XJP1_1_6.2@54.53,51.046 ; v1(53.848,77.8) 53.467,78.181 53.467,81.89 53.594,82.017 ; v2@60.452,57.963 60.274,58.141 59.207,58.141 ; 60.825,69.974 64.153,66.646 64.153,66.642 v2(65.577,65.218) ; 60.825,70.025 60.822,70.028 v1(59.207,70.028) 59.207,58.141 ; X2_USB_Sensor.4@61.646,85.852 61.722,85.852 62.789,84.785 62.789,82.042 ; v2(61.849,3.759) 61.842,5.2 63.627,6.985 X3-2_UEXT.4@67.97,6.985 ; 63.363,46.23 XC1.2@63.363,48.895 ; v1(69.647,33.909) 64.109,33.909 v1(64.05,33.85) 59.369,38.531 59.369,46.207 ; 71.615,46.215 v1(67.691,46.215) 59.378,46.215 59.369,46.207 ; v1(74.275,3.075) v1@74.288,3.075 ; X3-2_UEXT.10@75.441,6.886 74.288,5.733 v1@74.288,3.075 ; 76.784,51.384 v1(80.061,51.384) ; v1(78.054,23.927) B2_BAT.2@86.919,23.927 ; v1@78.257,61.443 80.899,64.084 80.899,72.644 71.526,82.017 65.964,82.017 62.789,82.017 v1(56.312,82.017) 53.594,82.017 ; v1@79.937,33.985 83.594,30.328 v2(86.97,30.328) v2@87.02,30.328 ; 80.924,64.084 83.541,61.468 92.634,61.468 ; v2(92.634,48.793) 92.634,61.468 ; XC1.1@95.58,69.86 XC1.2@95.58,72.4 ; XC1.3@95.58,74.94 XC1.2@95.58,72.4 ; 13.075,30.275 14.3,31.5 B1_bat*.2@14.325,31.525 ; 50.165,97.384 85.116,97.384 pad.BMH@90,92.5 92.634,89.866 92.634,72.4 ; XJP1_1_6.2@54.53,51.046 59.369,46.207 ; XJP1_1_6.2@54.53,51.046 59.207,55.723 59.207,58.141 ; v1@74.288,2.938 v1@74.288,3.075 ; v1@74.288,2.938 74.375,3.025 74.325,3.075 v1@74.288,3.075 ; v1@74.288,2.938 74.288,2.862 74.25,2.9 v1@74.288,2.938 ; 92.634,61.468 92.634,72.4 ; 92.634,72.4 XC1.2@95.58,72.4
  other v2: 60.36,58.191
  other v3: 20.752,5.309